# Altium PCB Time4CM4_PCIeCarrier_PCB.PcbDoc (part 1 of 5) (continued)
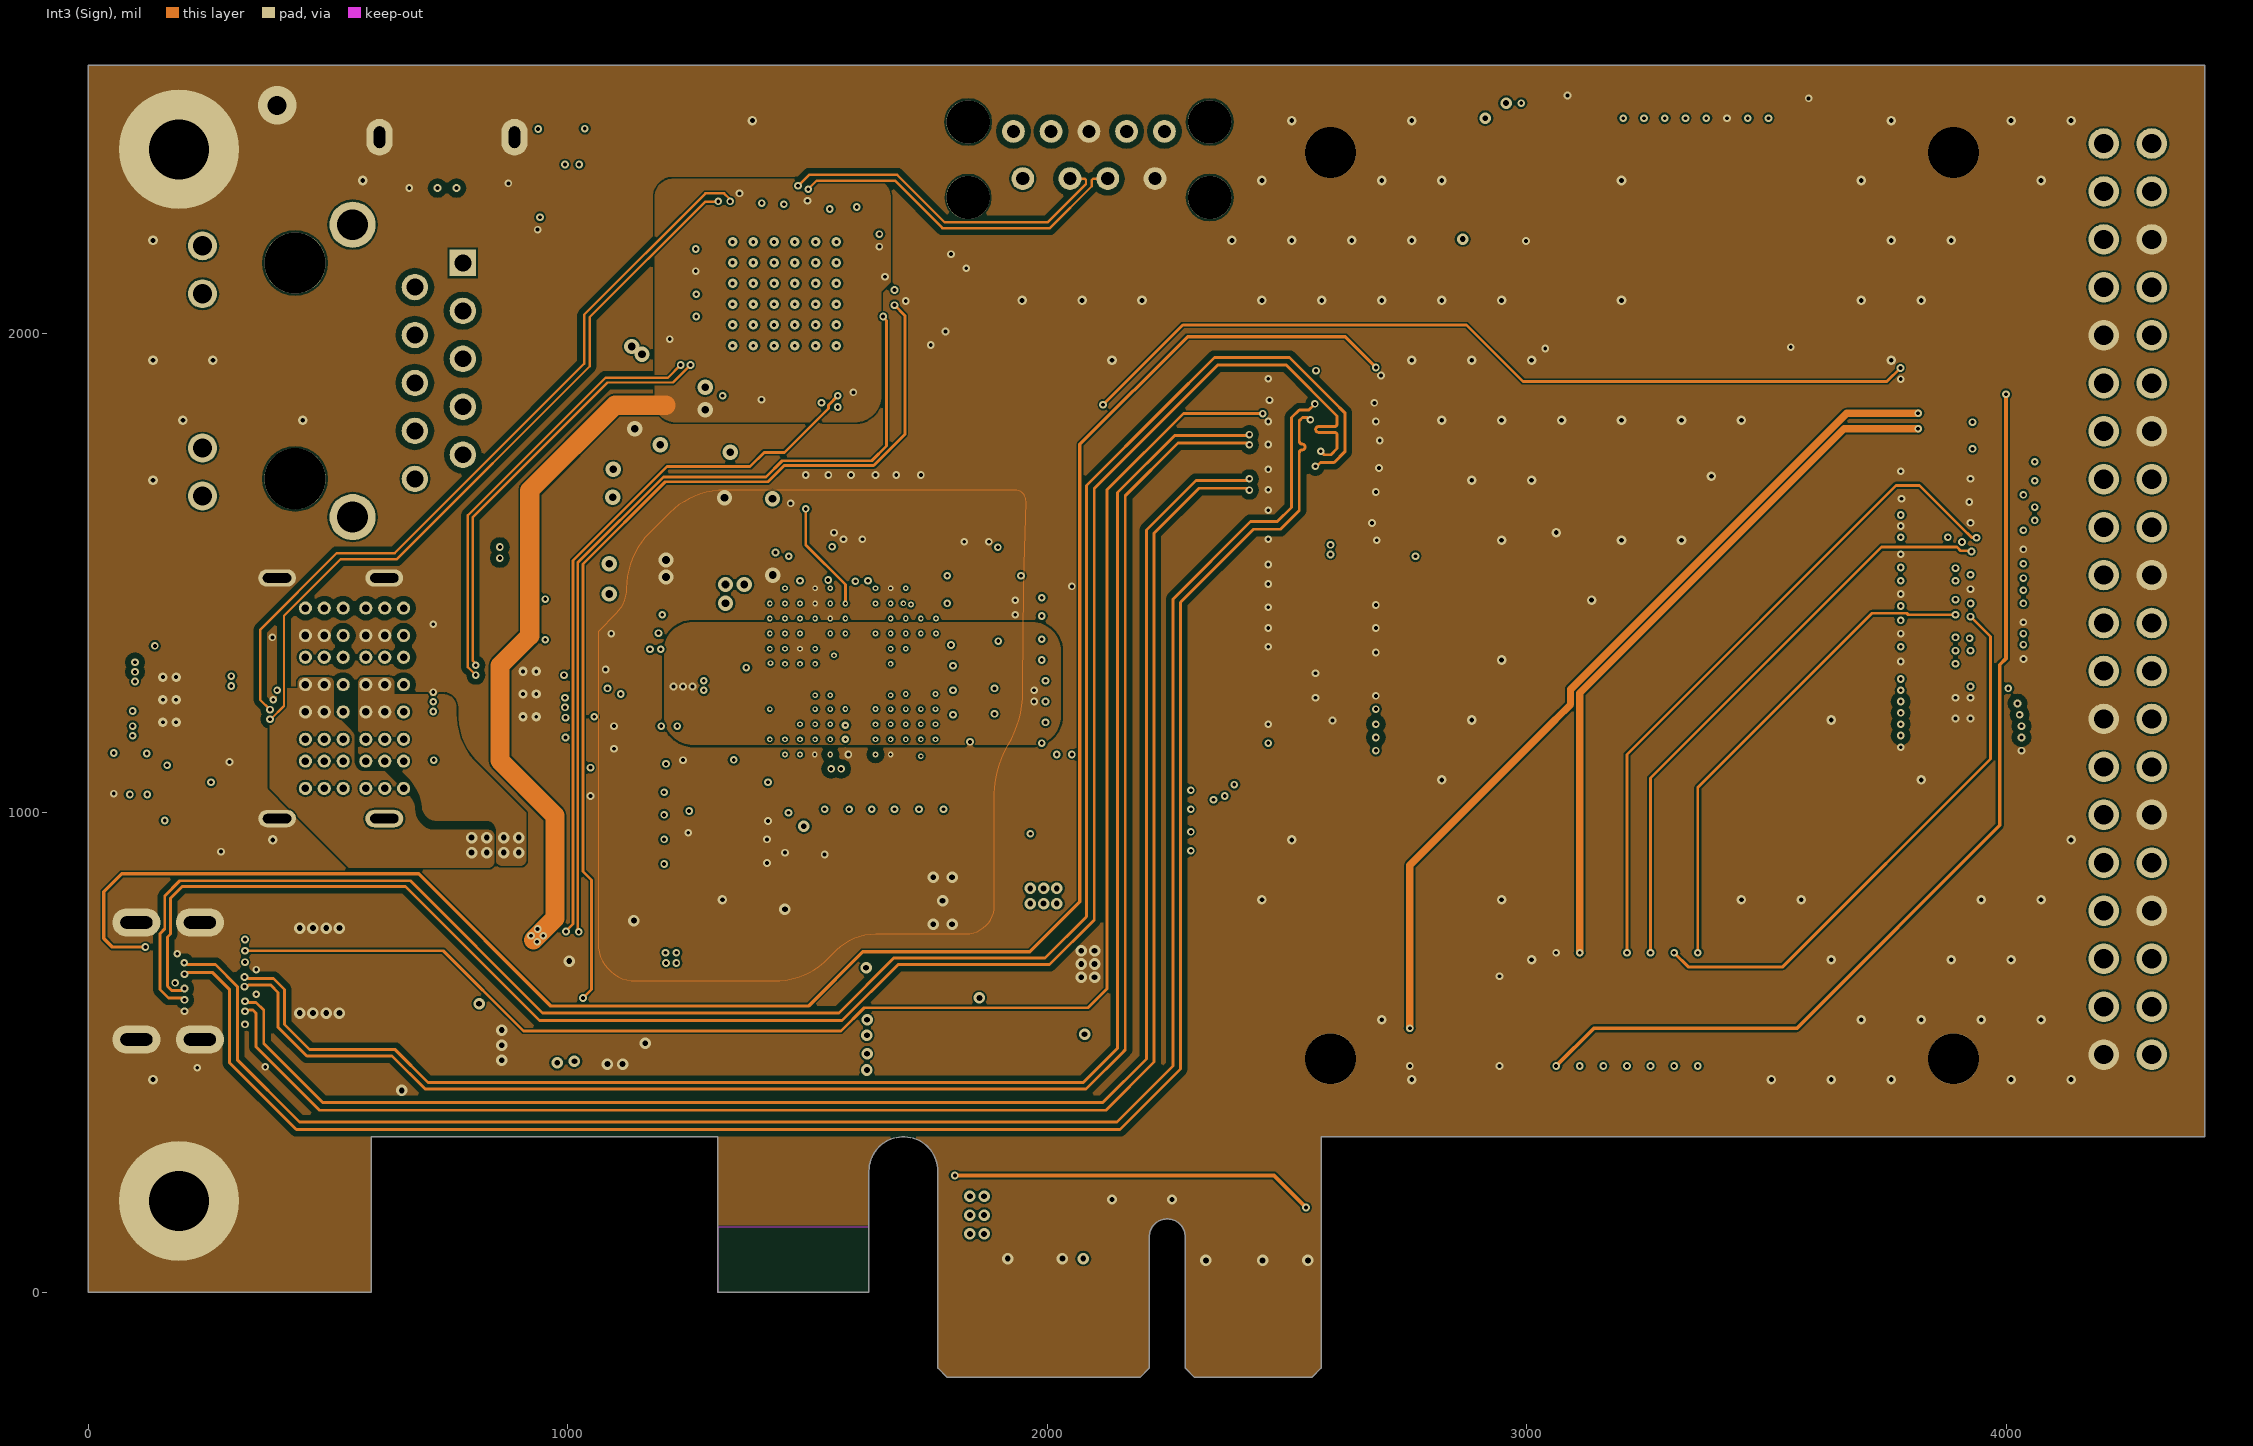
[diagram p4: Int3 (Sign)]
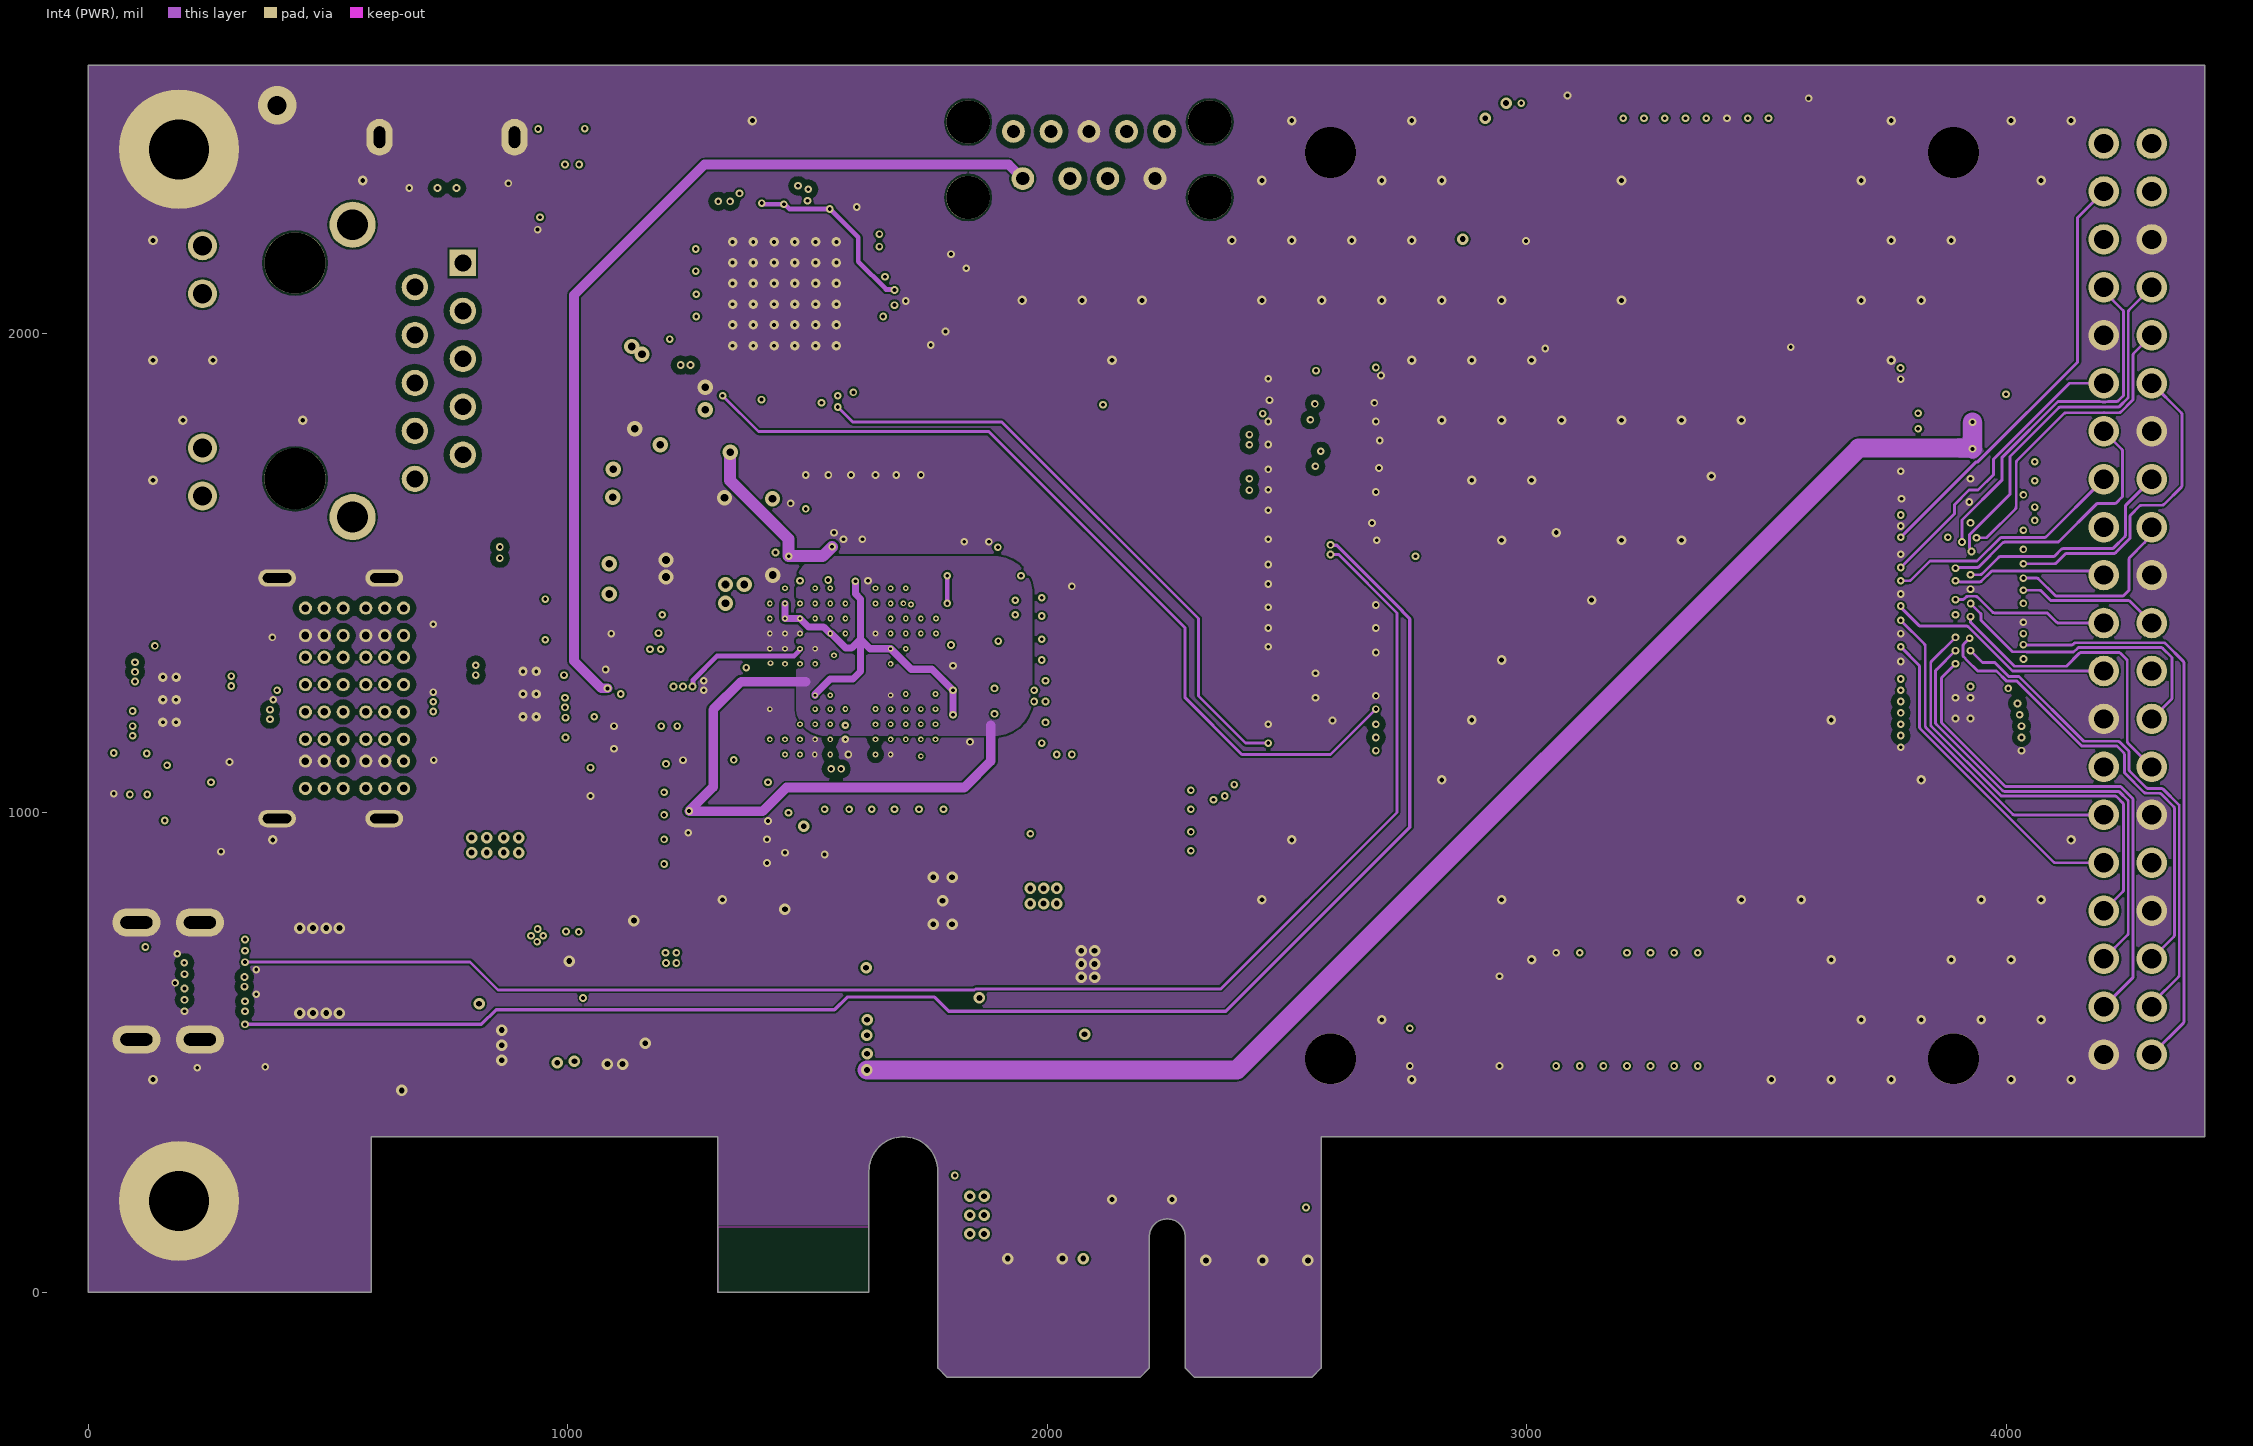
[diagram p5: Int4 (PWR)]

## Layer stack, top to bottom
Top Solder: solder mask 1, SM-001, Dk 4
Top Layer: signal copper 1.378
Dielectric 1: prepreg 4.6, PP-016, Dk 4.2
Int1 (GND): signal copper 1.378
Dielectric 3: core 23.622, Core-015, Dk 4.2
Int2 (Sign): signal copper 1.378
Dielectric 4: prepreg 4.6, PP-016, Dk 4.2
Int3 (Sign): signal copper 1.378
Dielectric 6: core 23.622, Core-015, Dk 4.2
Int4 (PWR): signal copper 1.378
Dielectric 8: prepreg 4.6, PP-016, Dk 4.2
Bottom Layer: signal copper 1.378
Bottom Solder: solder mask 1, SM-001, Dk 4

## Board outline
590.55,0 590.55,324.8 1312.99,324.8 1312.99,0 1627.95,0 1627.95,252.95 cw(c1699.8,252.95) 1771.65,252.95 1771.65,-157.48 1791.34,-177.17 2192.91,-177.17 2212.6,-157.48 2212.6,116.14 cw(c2250,116.14) 2287.4,116.14 2287.4,-157.48 2307.09,-177.17 2551.18,-177.17 2570.87,-157.48 2570.87,324.8 4413.39,324.8 4413.39,2559.05 0,2559.06 0,0

## Design rules (kind name [scope] priority, off if disabled: settings)
Clearance Clearance_Gnd_Diff [(InNet('gnd') AND InPolygon) vs (InDifferentialPairClass('All Differential Pairs'))] p1: gap=12 ignorepadtopadclearanceinfootprint=TRUE
Clearance Clearance_PCIe [InNetClass('All Nets')] p2: gap=4 ignorepadtopadclearanceinfootprint=TRUE
Clearance Keepout [OnLayer('Keep-Out Layer')] p3: gap=0 ignorepadtopadclearanceinfootprint=TRUE
Clearance [InDifferentialPairClass('PCIe')] p4: gap=30 ignorepadtopadclearanceinfootprint=TRUE
ComponentClearance [All] p1 off: gap=10 collisioncheckmode=3 verticalgap=10 showdistances=FALSE
DiffPairsRouting DiffPairsRouting_Ethernet [InDifferentialPairClass('ETHERNET_DIFF_IO')] p1: maxlimit=15 minlimit=5 mostfreqgap=12 toplayer_minwidth=5 toplayer_maxwidth=6 toplayer_prefwidth=6 midlayer1_minwidth=5 midlayer1_maxwidth=6 midlayer1_prefwidth=6 midlayer2_mingap=12 midlayer2_minwidth=6 midlayer2_maxwidth=6 midlayer2_prefwidth=6 midlayer3_minwidth=5 midlayer3_maxwidth=6 midlayer3_prefwidth=6 midlayer4_minwidth=5 midlayer4_maxwidth=6 midlayer4_prefwidth=6 bottomlayer_minwidth=5 bottomlayer_maxwidth=6 bottomlayer_prefwidth=6 maxuncoupledlength=500
DiffPairsRouting DiffPairsRouting_HDMI [InDifferentialPairClass('HDMI')] p2: maxlimit=15 minlimit=5 mostfreqgap=10 toplayer_minwidth=6 toplayer_maxwidth=6 toplayer_prefwidth=6 midlayer1_minwidth=6 midlayer1_maxwidth=6 midlayer1_prefwidth=6 midlayer2_minwidth=6 midlayer2_maxwidth=6 midlayer2_prefwidth=6 midlayer3_minwidth=6 midlayer3_maxwidth=6 midlayer3_prefwidth=6 midlayer4_minwidth=6 midlayer4_maxwidth=6 midlayer4_prefwidth=6 bottomlayer_minwidth=6 bottomlayer_maxwidth=6 bottomlayer_prefwidth=6 maxuncoupledlength=500
DiffPairsRouting DiffPairsRouting_USB3 [InDifferentialPairClass('USB3')] p3: maxlimit=8 minlimit=5 mostfreqgap=7 toplayer_minwidth=4 toplayer_maxwidth=5 toplayer_prefwidth=5 midlayer1_minwidth=4 midlayer1_maxwidth=5 midlayer1_prefwidth=5 midlayer2_minwidth=4 midlayer2_maxwidth=5 midlayer2_prefwidth=5 midlayer3_minwidth=4 midlayer3_maxwidth=5 midlayer3_prefwidth=5 midlayer4_minwidth=4 midlayer4_maxwidth=5 midlayer4_prefwidth=5 bottomlayer_minwidth=4 bottomlayer_maxwidth=5 bottomlayer_prefwidth=5 maxuncoupledlength=150
DiffPairsRouting DiffPairsRouting_USB2 [InDifferentialPairClass('USB2')] p4: maxlimit=8 minlimit=5 mostfreqgap=7 toplayer_minwidth=4 toplayer_maxwidth=5 toplayer_prefwidth=5 midlayer1_minwidth=4 midlayer1_maxwidth=5 midlayer1_prefwidth=5 midlayer2_minwidth=4 midlayer2_maxwidth=5 midlayer2_prefwidth=5 midlayer3_minwidth=4 midlayer3_maxwidth=5 midlayer3_prefwidth=5 midlayer4_minwidth=4 midlayer4_maxwidth=5 midlayer4_prefwidth=5 bottomlayer_minwidth=4 bottomlayer_maxwidth=5 bottomlayer_prefwidth=5 maxuncoupledlength=150
DiffPairsRouting DiffPairsRouting_PCIe [InDifferentialPairClass('PCIe')] p5: maxlimit=12 minlimit=6 mostfreqgap=12 toplayer_minwidth=5 toplayer_maxwidth=6 toplayer_prefwidth=6 midlayer1_minwidth=5 midlayer1_maxwidth=6 midlayer1_prefwidth=6 midlayer2_minwidth=5 midlayer2_maxwidth=6 midlayer2_prefwidth=6 midlayer3_minwidth=5 midlayer3_maxwidth=6 midlayer3_prefwidth=6 midlayer4_minwidth=5 midlayer4_maxwidth=6 midlayer4_prefwidth=6 bottomlayer_minwidth=5 bottomlayer_maxwidth=6 bottomlayer_prefwidth=6 maxuncoupledlength=150
HoleSize [All] p1: absolutevalues=TRUE maxlimit=1000 minlimit=6 maxpercent=80.000 minpercent=20.000
Length [All] p1: maxlimit=5000 minlimit=0
MatchedLengths DiffPair_USB3_RX2_MatchedLengths [InDifferentialPair ('USB_RX2')] p1: tolerance=5 checknetsindiffpair=TRUE checkdiffpairvsdiffpair=FALSE checkxsignals=FALSE checkothers=FALSE
MatchedLengths DiffPair_USB3_RX1_MatchedLengths_1 [InDifferentialPair ('USB_RX1')] p2: tolerance=5 checknetsindiffpair=TRUE checkdiffpairvsdiffpair=FALSE checkxsignals=FALSE checkothers=FALSE
MatchedLengths DiffPair_USB3_TX1_MatchedLengths [InDifferentialPair ('USB_TX1')] p3: tolerance=5 checknetsindiffpair=TRUE checkdiffpairvsdiffpair=FALSE checkxsignals=FALSE checkothers=FALSE
MatchedLengths DiffPair_USB3_TX2_MatchedLengths_1 [InDifferentialPair ('USB_TX2')] p4: tolerance=5 checknetsindiffpair=TRUE checkdiffpairvsdiffpair=FALSE checkxsignals=FALSE checkothers=FALSE
MatchedLengths DiffPair_USB3_CONN_MatchedLengths [InDifferentialPair ('CONN_RX1') OR InDifferentialPair ('CONN_RX2')] p5: tolerance=5 checknetsindiffpair=TRUE checkdiffpairvsdiffpair=FALSE checkxsignals=FALSE checkothers=FALSE
MatchedLengths DiffPair_USB3_CONN_MatchedLengths_1 [InDifferentialPair ('CONN_TX1') OR InDifferentialPair ('CONN_TX2')] p6: tolerance=5 checknetsindiffpair=TRUE checkdiffpairvsdiffpair=FALSE checkxsignals=FALSE checkothers=FALSE
MatchedLengths DiffPair_USB3_PCONN_MatchedLengths [InDifferentialPair ('PCONN_TX1') OR InDifferentialPair ('PCONN_TX2')] p7: tolerance=5 checknetsindiffpair=TRUE checkdiffpairvsdiffpair=FALSE checkxsignals=FALSE checkothers=FALSE
MatchedLengths DiffPair_USB3_PCONN_MatchedLengths_1 [InDifferentialPair ('PCONN_RX1') OR InDifferentialPair ('PCONN_RX2')] p8: tolerance=5 checknetsindiffpair=TRUE checkdiffpairvsdiffpair=FALSE checkxsignals=FALSE checkothers=FALSE
MatchedLengths DiffPair_USB3_INT_VCONN_MatchedLengths [InDifferentialPair ('USB_TX_INT') OR InDifferentialPair ('USB_RX_INT')] p9: tolerance=5 checknetsindiffpair=TRUE checkdiffpairvsdiffpair=FALSE checkxsignals=FALSE checkothers=FALSE
MatchedLengths DiffPair_PCIE_MatchedLengths [InDifferentialPairClass('PCIe')] p10: tolerance=10 checknetsindiffpair=TRUE checkdiffpairvsdiffpair=FALSE checkxsignals=FALSE checkothers=FALSE
MatchedLengths DiffPair_Ethernet_MatchedLengths_1 [InDifferentialPairClass('ETHERNET_DIFF_IO')] p11: tolerance=20 checknetsindiffpair=TRUE checkdiffpairvsdiffpair=FALSE checkxsignals=FALSE checkothers=FALSE
MatchedLengths DiffPair_HDMI_MatchedLengths [InDifferentialPairClass('HDMI')] p12: tolerance=50 checknetsindiffpair=TRUE checkdiffpairvsdiffpair=FALSE checkxsignals=FALSE checkothers=FALSE
MaximumViaCount [InDifferentialPairClass('All Differential Pairs')] p1: limit=3
MinimumSolderMaskSliver [All] p1 off: minsoldermaskwidth=1
PlaneClearance [All] p1: clearance=10
PlaneConnect [All] p1: planeconnectstyle=Direct reliefexpansion=20 reliefentries=4 reliefconductorwidth=10 reliefairgap=10
PolygonConnect [All] p1: connectstyle=Direct reliefconductorwidth=10 reliefentries=4 polygonreliefangle="90 Angle" airgapwidth=8
RoutingVias [All] p1: holewidth=7 width=12 viastyle="Through Hole" minholewidth=6 minwidth=16 maxholewidth=28 maxwidth=50
SilkToSolderMaskClearance [IsPad] p1 off: minsilkscreentomaskgap=10 clearancetoexposedcopper=TRUE
SolderMaskExpansion SolderMaskExpansion_Via [IsVia] p1: expansion=4 istentingtop=TRUE
SolderMaskExpansion [All] p2: expansion=4 istentingtop=FALSE
Width Width_1 [All] p1 off: maxlimit=50 minlimit=5 preferedwidth=10 toplayer_prefwidth=6 minimp=50.000000 maximp=50.000000 favimp=50.000000
23 further rules are at their usual default settings.

## Classes and differential pairs
component class PCIe_USB30_Conn_Internal_Vertical: J5
differential pair class HDMI: HDMI0_CLK HDMI0_TX0 HDMI0_TX1 HDMI0_TX2
component class CM4_HDMI: C24 C48 J2 U4
differential pair class CM4_USB: CM4_USB
differential pair class USB3: CONN_RX1 CONN_RX2 CONN_TX1 CONN_TX2 PCONN_RX1 PCONN_RX2 PCONN_TX1 PCONN_TX2 USB_RX1 USB_RX2 USB_RX_INT USB_STX1 USB_STX2 USB_STX_INT USB_TX1 USB_TX2 USB_TX_INT
differential pair class USB2: USB_D1 USB_D2 USB_D_INT
differential pair class PCIe: CM4_PCIE_CLK CM4_PCIE_PEXRX CM4_PCIE_PEXTX CM4_PCIE_RX CM4_PCIE_TX PCIE_CLK PCIE_REFCLK PCIE_RX PCIE_RX0 PCIE_TX PCIE_TX0 USB_TX1
differential pair class ETHERNET_DIFF_IO: ETH_PAIR0 ETH_PAIR1 ETH_PAIR2 ETH_PAIR3
component class PCIe_UART_Bridge: C11 C61 C62 C63 C64 C65 C66 C67 C68 C69 C70 C71 C72 C73 C74 C75 C76 C77 FB8 FB9 FB10 L4 R1 R2 R8 R34 R35 R36 R37 R38 R39 R40 R41 R42 R43 R44 R45 R46 R47 R48 R49 R50 R51 R52 R53 R54 R55 R56 R57 R58 R59 R60 R61 R62 R63 R64 R65 U16 U17
component class PCIe_USB30_Power: C43 C49 C56 C57 C58 C59 C60 FB7 L3 Q1 R19 R20 R21 R30 R31 R32 R33 U6 U15
component class PCIe_USB30_Conn_Panel_Top: C50 C51 C52 FB5 J6 R22 R23 R24 R25 U7 U8 U9 U10
component class PCIe_USB30_Conn_Panel_Bottom: C53 C54 C55 FB6 R26 R27 R28 R29 U11 U12 U13 U14
component class 40_Pin_Connector: J4
component class PCIe_USB30: C8 C13 C14 C19 C20 C21 C22 C23 C25 C26 C27 C28 C29 C30 C31 C32 C33 C34 C35 C36 C37 C38 C39 C40 C41 C42 C78 C79 FB4 R17 R18 U5 Y1
component class "Dip Switch": C80 C81 S1 U18
net class ETHERNET_DIFF: ETH_PAIR0_N ETH_PAIR0_P ETH_PAIR1_N ETH_PAIR1_P ETH_PAIR2_N ETH_PAIR2_P ETH_PAIR3_N ETH_PAIR3_P
component class Power: C1 C2 C3 C4 C5 C6 C7 C15 C16 C17 C18 L1 R5 R6 R7 R13 R14 R66 R67 U1 U3
component class External_Connectors: C9 C10 C12 J1 J3 R9 R10 R11 R12 R15 R16 SD1 U2
component class CM4_Conn: CM4
component class PCIe_Connector: C44 C45 C46 C47 P2 R3 R4
differential pair USB_TX_INT: +USB_TX_INT_P -USB_TX_INT_N
differential pair USB_STX_INT: +USB_STX_INT_P -USB_STX_INT_N
differential pair USB_RX_INT: +USB_RX_INT_P -USB_RX_INT_N
differential pair USB_D_INT: +USB_D_INT_P -USB_D_INT_N
differential pair HDMI0_TX2: +HDMI0_TX2_P -HDMI0_TX2_N
differential pair HDMI0_TX1: +HDMI0_TX1_P -HDMI0_TX1_N
differential pair HDMI0_TX0: +HDMI0_TX0_P -HDMI0_TX0_N
differential pair HDMI0_CLK: +HDMI0_CLK_P -HDMI0_CLK_N
differential pair CM4_PCIE_PEXRX: +CM4_PCIE_PEXRX_P -CM4_PCIE_PEXRX_N
differential pair CM4_PCIE_TX: +CM4_PCIE_TX_P -CM4_PCIE_TX_N
differential pair PCIE_TX: +PCIE_TX_P -PCIE_TX_N
differential pair PCIE_RX: +PCIE_RX_P -PCIE_RX_N
differential pair PCIE_CLK: +PCIE_CLK_P -PCIE_CLK_N
differential pair USB_STX2: +USB_STX2_P -USB_STX2_N
differential pair USB_D1: +USB_D1_P -USB_D1_N
differential pair USB_D2: +USB_D2_P -USB_D2_N
differential pair USB_TX2: +USB_TX2_P -USB_TX2_N
differential pair USB_TX1: +USB_TX1_P -USB_TX1_N
differential pair USB_STX1: +USB_STX1_P -USB_STX1_N
differential pair PCONN_TX2: +PCONN_TX2_P -PCONN_TX2_N
differential pair PCONN_TX1: +PCONN_TX1_P -PCONN_TX1_N
differential pair PCONN_RX2: +PCONN_RX2_P -PCONN_RX2_N
differential pair PCONN_RX1: +PCONN_RX1_P -PCONN_RX1_N
differential pair PCIE_TX0: +PCIE_TX0_P -PCIE_TX0_N
differential pair PCIE_REFCLK: +PCIE_REFCLK_P -PCIE_REFCLK_N
differential pair CM4_PCIE_RX: +CM4_PCIE_RX_P -CM4_PCIE_RX_N
differential pair CM4_PCIE_CLK: +CM4_PCIE_CLK_P -CM4_PCIE_CLK_N
differential pair CM4_USB: +CM4_USB_P -CM4_USB_N
differential pair USB_RX2: +USB_RX2_P -USB_RX2_N
differential pair USB_RX1: +USB_RX1_P -USB_RX1_N
differential pair CONN_TX2: +CONN_TX2_P -CONN_TX2_N
differential pair CONN_TX1: +CONN_TX1_P -CONN_TX1_N
differential pair CONN_RX2: +CONN_RX2_P -CONN_RX2_N
differential pair CONN_RX1: +CONN_RX1_P -CONN_RX1_N
differential pair ETH_PAIR3: +ETH_PAIR3_P -ETH_PAIR3_N
differential pair ETH_PAIR2: +ETH_PAIR2_P -ETH_PAIR2_N
differential pair ETH_PAIR1: +ETH_PAIR1_P -ETH_PAIR1_N
differential pair ETH_PAIR0: +ETH_PAIR0_P -ETH_PAIR0_N

## Components (designator, comment, footprint, x,y, rotation, side; value= is the part's Value field where it differs from the comment)
C1 "10uf" FP-GRM188-0_2-IPC_C 2023.62,750.02 r270 top
C2 "Capacitor 10nF +/-20% 50V 0402" CAPC0402(1005)60_L 1877.95,962.6 r180 top value=10nF
C3 "Capacitor 100nF +/-20% 25V 0402" CAPC0402(1005)60_L 1875.98,657.48 r180 top value=100nF
C4 "22uF" FP-GRM21B-0_15-MFG 1707.66,506.96 r0 top
C5 "22uF" FP-GRM21B-0_15-MFG 1707.66,585.7 r0 top
C6 "22uF" FP-GRM21B-0_15-MFG 1707.66,428.22 r0 top
C7 "33pF" FP-0402-L_1_0_1-W_0_5_0_1-IPC_A 1452.76,854.33 r270 top
C8 "100nF" FP-GRM15-MFG 1459.65,1831.69 r270 top value=0.10μF
C9 "100nF" FP-C0402-BB-MFG 888.78,2216.54 r0 top value="0.10 μF"
C10 "10uf" FP-GRM188-0_2-IPC_C 2937.01,2196.85 r0 top
C11 "100nF" FP-GRM15-MFG 1322.83,1251.97 r0 bottom value=0.10μF
C12 "4.7nF" FP-0805-L_2_01_0_2-W_1_25-IPC_B 387.8,2359.25 r90 bottom
C13 "100nF" FP-GRM15-MFG 1443.36,2322.84 r270 top value=0.10μF
C14 "100nF" FP-GRM15-MFG 1412.93,2322.84 r270 top value=0.10μF
C15 "2.7nF" FP-CL10-IPC_C 1541.34,795.28 r0 top
C16 "1uF" FP-CC0805-0_85-MFG 1212.6,484.25 r90 top value="1 uF"
C17 "10pF" CAPC1005X55X25ML05T05 1129.92,658.46 r0 top
C18 "2.2uF" FP-CC0603-DA-MFG 1215.55,619.09 r270 top value="2.2 uF"
C19 "10uf" FP-GRM188-0_2-IPC_C 1139.76,1864.17 r270 bottom
C20 "10uf" FP-GRM188-0_2-IPC_C 1242.13,1864.17 r90 bottom
C21 "100nF" FP-GRM15-MFG 1214.57,2074.8 r0 top value=0.10μF
C22 "100nF" FP-GRM15-MFG 1214.57,2043.31 r0 top value=0.10μF
C23 "100nF" FP-GRM15-MFG 1492.13,1831.69 r270 top value=0.10μF
C24 "100nF" FP-GRM15-MFG 431.1,444.88 r270 bottom value=0.10μF
C25 "25pF" FP-C0402-BB-MFG 1743.17,2184.16 r0 top value="12 pF"
C26 "25pF" FP-C0402-BB-MFG 1741.2,2004.04 r0 top value="12 pF"
C27 "100nF" FP-GRM15-MFG 1511.81,1917.32 r270 bottom value=0.10μF
C28 "100nF" FP-GRM15-MFG 1618.11,2066.93 r0 bottom value=0.10μF
C29 "100nF" FP-GRM15-MFG 1546.26,2231.3 r90 bottom value=0.10μF
C30 "100nF" FP-GRM15-MFG 1403.54,2231.3 r90 bottom value=0.10μF
C31 "100nF" FP-GRM15-MFG 1301.18,2035.43 r180 bottom value=0.10μF
C32 "100nF" FP-GRM15-MFG 1301.18,2081.69 r180 bottom value=0.10μF
C33 "100nF" FP-GRM15-MFG 1301.18,2177.17 r180 bottom value=0.10μF
C34 "100nF" FP-GRM15-MFG 1451.77,2231.3 r90 bottom value=0.10μF
C35 "100nF" FP-GRM15-MFG 1301.18,2129.92 r180 bottom value=0.10μF
C36 "100nF" FP-GRM15-MFG 1263.78,1980.32 r180 bottom value=0.10μF
C37 "100nF" FP-GRM15-MFG 1356.3,2231.3 r90 bottom value=0.10μF
C38 "100nF" FP-GRM15-MFG 1499.02,2231.3 r90 bottom value=0.10μF
C39 "100nF" FP-GRM15-MFG 1401.57,1917.32 r270 bottom value=0.10μF
C40 "100nF" FP-GRM15-MFG 1618.11,2106.3 r0 bottom value=0.10μF
C41 "100nF" FP-GRM15-MFG 1618.11,2145.67 r0 bottom value=0.10μF
C42 "100nF" FP-GRM15-MFG 1555.12,1917.32 r270 bottom value=0.10μF
C43 "10uf" FP-GRM188-0_2-IPC_C 787.4,421.26 r180 top
C44 "Capacitor 0.1 uF +/- 5% 16 V 0402" CAPC1005X56X25LL10T15 2347.52,129.53 r90 bottom value=100nF
C45 "Capacitor 0.1 uF +/- 5% 16 V 0402" CAPC1005X56X25LL10T15 2386.89,129.53 r90 bottom value=100nF
C46 "Capacitor 0.1 uF +/- 5% 16 V 0402" CAPC1005X56X25LL10T15 2465.63,129.53 r90 bottom value=100nF
C47 "Capacitor 0.1 uF +/- 5% 16 V 0402" CAPC1005X56X25LL10T15 2505,129.53 r90 bottom value=100nF
C48 "100nF" FP-GRM15-MFG 431.1,503.94 r90 bottom value=0.10μF
C49 "10uf" FP-GRM188-0_2-IPC_C 881.89,405.51 r180 top
C50 "100uF" PNSC-EEEFK1C101P_L 594.49,535.43 r180 top
C51 "100nF" FP-C0402-BB-MFG 1038.39,1298.23 r0 bottom value="0.10 μF"
C52 "47uF" FP-C2012-125-0_2-IPC_B 971.46,1063.98 r270 top
C53 "100uF" PNSC-EEEFK1C101P_L 594.49,807.09 r180 top
C54 "100nF" FP-C0402-BB-MFG 53.15,1082.68 r270 bottom value="0.10 μF"
C55 "47uF" FP-C2012-125-0_2-IPC_B 190.51,919.29 r0 top
C56 "22pF" FP-C0603C-CF-MFG 1165.35,1712.6 r0 top value="22 pF"
C57 "22uF" FP-GRM21B-0_15-MFG 1173.23,1586.61 r0 top
C58 "22uF" FP-GRM21B-0_15-MFG 1173.23,1649.61 r0 top
C59 "10uf" FP-GRM188-0_2-IPC_C 1141.73,1500 r270 bottom
C60 "10uf" FP-GRM188-0_2-IPC_C 1354.31,1525.59 r0 top
C61 "100nF" FP-GRM15-MFG 1322.83,1303.15 r0 bottom value=0.10μF
C62 "100nF" FP-GRM15-MFG 1854.33,1216.54 r180 bottom value=0.10μF
C63 "100nF" FP-GRM15-MFG 1854.33,1259.84 r180 bottom value=0.10μF
C64 "100nF" FP-GRM15-MFG 1574.8,1535.43 r270 bottom value=0.10μF
C65 "10uf" FP-GRM188-0_2-IPC_C 1511.81,1555.12 r90 bottom
C66 "10uf" FP-GRM188-0_2-IPC_C 1862.2,1417.32 r0 bottom
C67 "100nF" FP-GRM15-MFG 1854.33,1358.27 r180 bottom value=0.10μF
C68 "100nF" FP-GRM15-MFG 1854.33,1307.09 r180 bottom value=0.10μF
C69 "100nF" FP-GRM15-MFG 1614.17,1535.43 r270 bottom value=0.10μF
C70 "100nF" FP-GRM15-MFG 1358.27,996.06 r90 bottom value=0.10μF
C71 "10uf" FP-GRM188-0_2-IPC_C 1287.4,984.25 r270 bottom
C72 "47uF" FP-C2012-125-0_2-IPC_B 1154.53,1269.69 r90 top
C73 "100nF" FP-GRM15-MFG 1854.33,1173.23 r0 bottom value=0.10μF
C74 "10uf" FP-GRM188-0_2-IPC_C 1858.27,1440.94 r0 top
C75 "100nF" FP-GRM15-MFG 1838.58,1381.89 r180 top value=0.10μF
C76 "100nF" FP-GRM15-MFG 1826.77,1511.81 r270 top value=0.10μF
C77 "100nF" FP-GRM15-MFG 1417.32,1027.56 r90 top value=0.10μF
C78 "100nF" FP-GRM15-MFG 1584.65,2322.83 r270 top value=0.10μF
C79 "100nF" FP-GRM15-MFG 1555.12,2322.83 r270 top value=0.10μF